# Altium PCB PMT_simulator.PcbDoc (part 2 of 5) (continued)
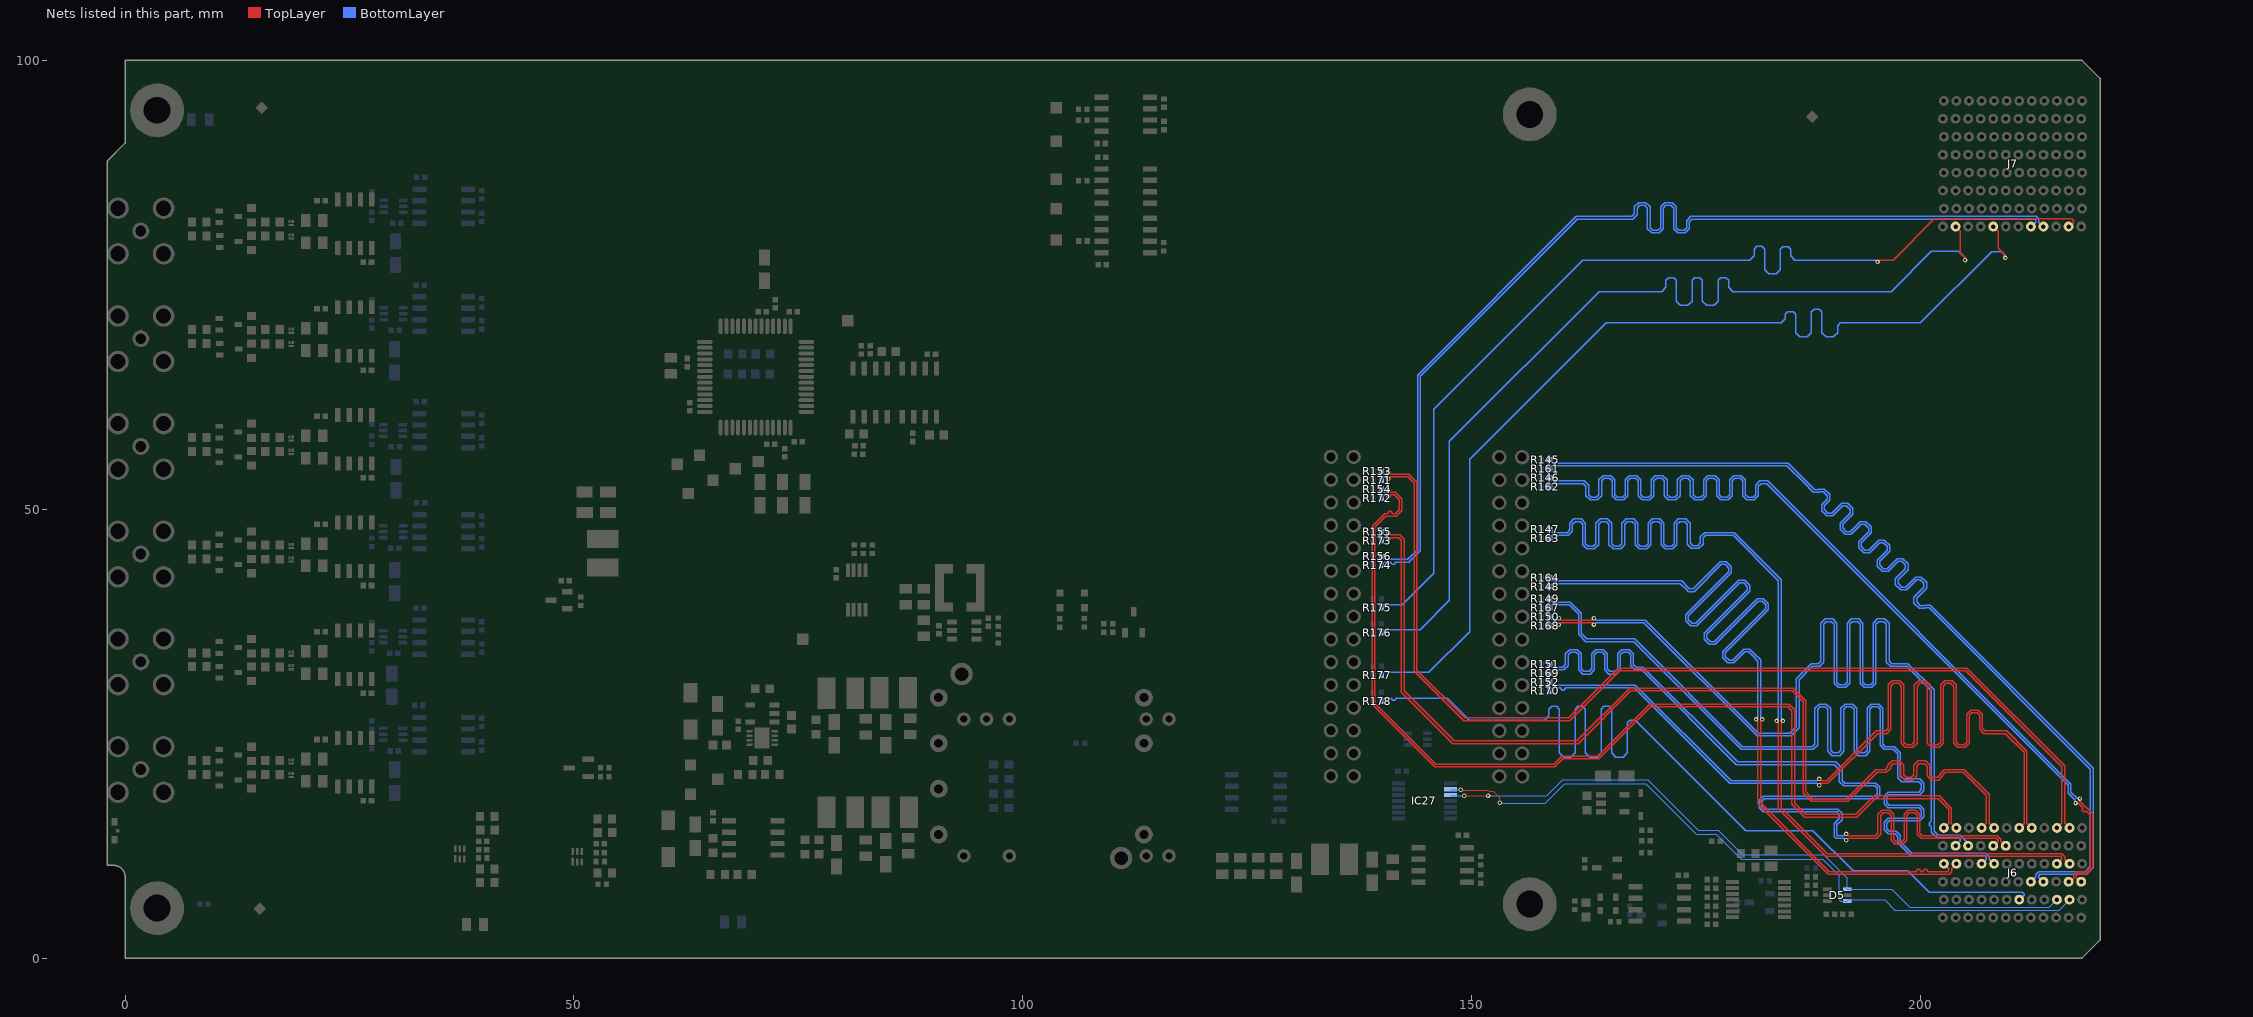
[diagram p4: the nets of this part, all layers, seen from the top]
## Part data (continued)
R130 R131 R133 R136 R138 R140: library part R0402_22R_1%_0.0625W_100PPM, "Resistor - 1%", Case=0402, Manufacturer=GENERIC, Manufacturer1 ComponentHeight=0.4mm, Manufacturer1 Example="YAGEO PHYCOMP", Manufacturer1 Part Number=232270672209L, Power=0.0625W, Tolerance=±1%, Author="CERN DEM JLC", Component Type=Standard, CreateDate=03.12.2007, HelpURL=\\cern.ch\dfs\Applications\Altium\Datasheets\R0402_Phycomp_RC0402.pdf, LatestRevisionDate=17.10.2012, Manufacturer Part Number=R0402_22R_1%_0.0625W_100PPM, Mounted=Yes, Part Description="General Purpose Thick Film Chip Resistor", Part Number=R0402_22R_1%_0.0625W_100PPM, Pin Count=2, PressFit=No, Sense=No, SMD=Yes, Socket=No, Status="Not Recommended", TC=±100ppm/°C
T1A T1B T1C T1D T1E T1F T2A T2B T2C T2D T2E T2F: library part "Q_MOSFET N", "20-V, N channel NexFET™ power MOSFET, single LGA 0.6 mm x 0.7 mm, 1460 mOhm, gate ESD protection", Manufacturer Part Number=CSD15380F3
T3 T6: "N-CHANNEL MOSFET WITH DIODE", Case=SOT23-3, Manufacturer="ON SEMICONDUCTOR", Manufacturer Part Number=BSS138L, Author="CERN DEM JLC", Bonding=No, Component Type=Standard, ComponentHeight=1.11mm, CreateDate=23.03.2009, Device=BSS138LT1G, HelpURL=\\cern.ch\dfs\Applications\Altium\Datasheets\BSS138LT1G.pdf, LatestRevisionDate=25.05.2022, Mounted=Yes, PackageDescription="SOT23, 0.95mm Pitch; 3 Pin, 1.40mm W X 3.00mm L X 1.10mm H body, IPC Medium Density", Part Description="50V, 200mA N-Channel Enhancement Mode Field-Effect Transistor", Part Number=BSS138LT1G, Pin Count=3, PressFit=No, Sense=No, SMD=Yes, Socket=No
T4 T5: "N-CHANNEL MOSFET WITH DIODE", Case=SOT23-3, Manufacturer="ON SEMICONDUCTOR", Author="CERN DEM JLC", Bonding=No, Component Type=Standard, ComponentHeight=1.11mm, CreateDate=23.03.2009, Device=BSS138LT1G, HelpURL=\\cern.ch\dfs\Applications\Altium\Datasheets\BSS138LT1G.pdf, LatestRevisionDate=23.03.2009, Manufacturer Part Number=BSS138LT1G, Mounted=Yes, PackageDescription="SOT23 3-Leads, Pitch 0.95mm - Body 1.4x3mm, IPC Medium Density", Part Description="50V 200mA N-Channel Enhancement Mode Field-Effect Transistor", Part Number=BSS138LT1G, Pin Count=3, PressFit=No, Sense=No, SMD=Yes, Socket=No
TP1 TP2 TP3 TP4 TP5 TP6 TP7 TP8 TP9 TP10 TP11 TP12 TP13 TP14 TP15 TP16: library part SMD_PAD_1.27X1.27MM, Author="CERN DEM JLC", Component Type="Standard (No BOM)", ComponentHeight=0mm, CreateDate=12.01.2008, Family="Test Point", HelpURL=Undefined, LatestRevisionDate=12.01.2008, Mounted=No, PackageDescription="1.27mm x 1.27mm PCB Copper Area (SMD Test Point)", Part Description="1.27mm x 1.27mm PCB Copper Area (SMD Test Point)", Part Number=SMD_PAD_1.27X1.27MM, Pin Count=1, Sense=No, SMD=Yes, Socket=No, Status=None

## Via types
v1: diameter 0.5, hole 0.25, TopLayer to BottomLayer, tented both sides, 509 vias
v2: diameter 0.6, hole 0.3, TopLayer to BottomLayer, tented both sides, 338 vias
v3: diameter 0.7, hole 0.4, TopLayer to BottomLayer, tented both sides, 14 vias
v4: diameter 0.5, hole 0.25, TopLayer to BottomLayer, 4 vias

## Nets (pads, with @x,y where several pads share a name; then routed paths per layer and width w, separated by ;. In a path a pad name is that pad's centre, name@x,y a point inside that pad or via, vN(x,y) a via of type N, cw(c..) or ccw(c..) an arc to the next point about the centre after c; other vN are vias at no path point)
BP_I2C.SCL: D5.3 IC27.2 J6.B2 | length 78.8
  TopLayer w0.127: v1(148.803,18.747) 148.84,18.71 151.833,18.71 151.965,18.578 152.422,18.578 153.16,17.84 v1(153.16,17.302)
  BottomLayer w0.127: IC27.2@147.65,18.8 147.703,18.747 v1(148.803,18.747) ; v1(153.16,17.302) 153.211,17.25 158.25,17.25 160.396,19.396 169.427,19.396 175.051,13.771 177.301,13.771 180.051,11.021 189.165,11.021 191,9.186 191,6.5 191.15,6.35 D5.3@191.871,6.35 191.993,6.472 196.028,6.472 197.158,5.342 215.481,5.342 J6.B2@216.639,6.5
BP_I2C.SDA: D5.1 IC27.3 J6.C2 | length 75.3
  TopLayer w0.127: v1(149.203,18.088) 149.21,18.095 151.855,18.095 v1(151.863,18.103)
  BottomLayer w0.127: IC27.3@147.65,18.15 147.712,18.088 v1(149.203,18.088) ; v1(151.863,18.103) 151.901,18.065 158.387,18.065 160.197,19.875 169.625,19.875 175.25,14.25 177.5,14.25 180.25,11.5 189.23,11.5 191.871,8.859 D5.1@191.871,7.671 ; D5.1@191.871,7.65 D5.1@191.871,7.671 ; J6.C2@215.239,6.5 214.408,5.669 198.831,5.669 196.828,7.672 191.872,7.672 D5.1@191.871,7.671
BP_IO.LVDS_N0: J6.E3 R161.1 | length 113.5
  BottomLayer w0.14: R161.1@158.72,54.5 158.94,54.72 158.94,54.768 159.022,54.85 185.15,54.85 187.075,52.925 188.109,51.891 188.766,51.891 188.801,51.926 189.21,51.926 189.619,51.518 189.619,51.109 189.014,50.504 189.014,49.847 189.247,49.613 189.598,49.262 190.256,49.262 191.37,50.377 191.779,50.377 192.187,49.968 192.187,49.559 191.073,48.445 191.073,47.788 191.657,47.203 192.315,47.203 193.429,48.318 193.838,48.318 194.246,47.909 194.246,47.5 193.132,46.386 193.132,45.729 193.716,45.144 194.374,45.144 195.488,46.259 195.897,46.259 196.305,45.85 196.305,45.441 195.191,44.327 195.191,43.67 195.776,43.085 196.433,43.085 197.547,44.199 197.956,44.199 198.365,43.791 198.365,43.382 197.25,42.268 197.25,41.61 197.835,41.026 198.492,41.026 199.606,42.14 200.015,42.14 200.424,41.732 200.424,41.323 199.309,40.209 199.309,39.551 199.894,38.967 200.551,38.967 200.588,39.004 200.996,39.004 201.108,38.892 218.962,21.038 218.962,10.212 218.37,9.62 213.217,9.62 212.889,9.292 212.889,8.994 212.395,8.5 J6.E3@212.339,8.5
BP_IO.LVDS_N1: J6.B3 R162.1 | length 112.3
  TopLayer w0.14: J6.B3@216.539,8.5 216.68,8.5 217.089,8.909 217.089,9.303 217.404,9.618 218.441,9.618 218.924,10.101 218.924,15.935 218.575,16.285 218.525,16.334 218.386,16.334 218.346,16.294 218.206,16.294 218.067,16.433 218.067,16.572 218.107,16.613 218.107,16.752 217.887,16.972 217.593,17.266 v1(217.31,17.266)
  BottomLayer w0.14: R162.1@158.72,52.5 158.94,52.72 158.94,52.768 159.022,52.85 160,52.85 162.468,52.85 162.757,52.561 162.757,51.494 163.222,51.029 164.048,51.029 164.513,51.494 164.513,53.164 164.802,53.453 165.38,53.453 165.669,53.164 165.669,51.494 166.134,51.029 166.96,51.029 167.425,51.494 167.425,53.164 167.714,53.453 168.292,53.453 168.581,53.164 168.581,51.494 169.046,51.029 169.872,51.029 170.337,51.494 170.337,53.164 170.626,53.453 171.204,53.453 171.493,53.164 171.493,51.494 171.958,51.029 172.784,51.029 173.249,51.494 173.249,53.164 173.538,53.453 174.116,53.453 174.405,53.164 174.405,51.494 174.87,51.029 175.696,51.029 176.161,51.494 176.161,53.164 176.45,53.453 177.028,53.453 177.317,53.164 177.317,51.494 177.782,51.029 178.608,51.029 179.073,51.494 179.073,53.164 179.362,53.453 179.94,53.453 180.229,53.164 180.229,51.494 180.694,51.029 181.52,51.029 181.985,51.494 181.985,52.561 182.274,52.85 182.432,52.85 182.9,52.85 216.5,19.25 216.5,18.359 217.266,17.593 217.266,17.31 v1(217.31,17.266)
BP_IO.LVDS_N2: J6.C4 R163.1 | length 113.6
  TopLayer w0.14: v1(184.005,26.414) 184.205,26.214 184.205,16.621 189.506,11.32 215.637,11.32 215.789,11.168 215.789,10.994 215.295,10.5 J6.C4@215.239,10.5
  BottomLayer w0.14: R163.1@158.72,46.75 158.94,46.97 158.94,47.018 159.022,47.1 160.506,47.1 160.788,47.1 161.253,47.565 161.253,48.335 161.542,48.624 162.12,48.624 162.409,48.335 162.409,46.041 162.874,45.576 163.7,45.576 164.165,46.041 164.165,48.335 164.454,48.624 165.032,48.624 165.321,48.335 165.321,46.041 165.786,45.576 166.612,45.576 167.077,46.041 167.077,48.335 167.366,48.624 167.944,48.624 168.233,48.335 168.233,46.041 168.698,45.576 169.524,45.576 169.989,46.041 169.989,48.335 170.278,48.624 170.856,48.624 171.145,48.335 171.145,46.041 171.61,45.576 172.436,45.576 172.901,46.041 172.901,48.335 173.19,48.624 173.768,48.624 174.057,48.335 174.057,46.121 174.522,45.656 175.348,45.656 175.813,46.121 175.813,46.811 176.102,47.1 177,47.1 179.15,47.1 184.211,42.039 184.211,26.676 184.005,26.47 v1(184.005,26.414)
BP_IO.LVDS_N3: J6.L4 R164.1 | length 111.3
  TopLayer w0.14: v1(182.413,26.584) 182.213,26.384 182.213,17.287 189.88,9.62 199.364,9.62 199.515,9.62 199.613,9.718 199.613,9.775 199.712,9.874 199.909,9.874 200.007,9.775 200.007,9.718 200.106,9.62 200.303,9.62 200.401,9.718 200.401,9.775 200.5,9.874 200.697,9.874 200.795,9.775 200.795,9.718 200.894,9.62 201.358,9.62 202.51,9.62 cw(c202.539,8.5) 202.568,9.62 203.107,9.62 203.189,9.702 203.189,9.95 J6.L4@202.639,10.5
  BottomLayer w0.14: R164.1@158.72,42.363 158.94,42.143 158.94,42.095 159.022,42.013 173.411,42.013 174.184,41.24 174.296,41.128 174.705,41.128 177.735,44.158 178.392,44.158 178.977,43.574 178.977,42.917 174.177,38.117 174.177,37.708 174.586,37.3 174.994,37.3 179.794,42.099 180.451,42.099 181.036,41.515 181.036,40.858 176.236,36.058 176.236,35.649 176.645,35.24 177.053,35.24 181.853,40.04 182.511,40.04 183.095,39.456 183.095,38.799 178.295,33.999 178.295,33.59 178.704,33.181 179.113,33.181 180.349,34.418 181.006,34.418 181.54,33.884 182.219,33.205 182.219,26.846 182.413,26.652 v1(182.413,26.584)
BP_IO.LVDS_N4: J6.I4 R167.1 | length 111.5
  BottomLayer w0.14: R167.1@158.72,39 158.94,39.22 158.94,39.268 159.022,39.35 160.9,39.35 161.95,38.3 161.95,36.05 162.75,35.25 168.076,35.25 180.076,23.25 187.817,23.25 188.1,23.25 188.564,23.715 188.564,27.699 188.853,27.988 189.431,27.988 189.72,27.699 189.72,23.019 190.185,22.554 191.012,22.554 191.476,23.019 191.476,27.699 191.765,27.988 192.343,27.988 192.632,27.699 192.632,23.019 193.097,22.554 193.924,22.554 194.388,23.019 194.388,27.699 194.677,27.988 195.255,27.988 195.544,27.699 195.544,23.715 196.009,23.25 196.317,23.25 197,23.25 197.5,22.75 197.5,21.015 197.5,20.11 197.965,19.645 199.829,19.645 200.118,19.356 200.118,18.778 199.829,18.489 196.441,18.489 195.976,18.024 195.976,17.198 196.441,16.733 199.829,16.733 200.118,16.444 200.118,15.866 199.829,15.577 196.441,15.577 195.976,15.112 195.976,14.286 196.441,13.821 197.211,13.821 197.5,13.532 197.5,13.374 197.5,12.826 198.955,11.371 207.186,11.371 207.389,11.168 207.389,10.994 206.895,10.5 J6.I4@206.839,10.5
BP_IO.LVDS_N5: J6.K5 R168.1 | length 113
  TopLayer w0.14: v1(159.75,37.15) 159.812,37.15 160.012,37.35 163.5,37.35 163.649,37.201 v1(163.649,37.15)
  BottomLayer w0.14: R168.1@158.72,37 158.94,37.22 158.94,37.268 159.022,37.35 159.488,37.35 159.688,37.15 v1(159.75,37.15) ; v1(163.649,37.15) 163.711,37.15 163.911,37.35 169.226,37.35 181.826,24.75 185.608,24.75 186.5,25.642 186.5,31 188,32.5 188.502,32.5 188.785,32.5 189.249,32.965 189.249,37.2 189.538,37.489 190.116,37.489 190.405,37.2 190.405,30.616 190.87,30.151 191.697,30.151 192.161,30.616 192.161,37.2 192.45,37.489 193.028,37.489 193.317,37.2 193.317,30.616 193.782,30.151 194.609,30.151 195.073,30.616 195.073,37.2 195.362,37.489 195.94,37.489 196.229,37.2 196.229,32.965 196.694,32.5 197.395,32.5 198.5,32.5 201.25,29.75 201.25,15.695 201.25,15.231 201.152,15.132 201.094,15.132 200.996,15.034 200.996,14.837 201.094,14.738 201.152,14.738 201.25,14.64 201.25,14.238 201.25,14.025 201.895,13.38 204.353,13.38 204.489,13.244 204.489,13.05 J6.K5@203.939,12.5
BP_IO.LVDS_N6: J6.H5 R169.1 | length 111.1
  TopLayer w0.14: v1(191.75,13.123) 191.8,13.123 192,13.323 194.852,13.323 195.134,13.323 195.599,13.788 195.599,15.892 195.888,16.181 196.466,16.181 196.755,15.892 196.755,13.112 197.22,12.647 198.046,12.647 198.511,13.112 198.511,15.892 198.8,16.181 199.378,16.181 199.667,15.892 199.667,13.788 200.132,13.323 200.85,13.323 208.476,13.323 208.689,13.11 208.689,12.994 208.195,12.5 J6.H5@208.139,12.5
  BottomLayer w0.14: R169.1@158.72,31.75 158.94,31.97 158.94,32.018 159.022,32.1 160.032,32.1 160.315,32.1 160.779,32.565 160.779,33.761 161.068,34.05 161.646,34.05 161.935,33.761 161.935,32.104 162.4,31.64 163.227,31.64 163.691,32.104 163.691,33.761 163.98,34.05 164.558,34.05 164.847,33.761 164.847,32.104 165.312,31.64 166.139,31.64 166.603,32.104 166.603,33.761 166.892,34.05 167.47,34.05 167.759,33.761 167.759,32.565 168.224,32.1 168.754,32.1 168.976,32.1 179.53,21.545 190.45,21.545 191,20.995 191,20.697 191,19.649 191.465,19.185 194.927,19.185 195.216,18.896 195.216,18.318 194.927,18.029 182.529,18.029 182.064,17.564 182.064,16.737 182.529,16.273 190.711,16.273 191,15.984 191,15.826 191,15.547 190.411,14.958 190.411,13.581 190.669,13.323 191.488,13.323 191.688,13.123 v1(191.75,13.123)
BP_IO.LVDS_N7: J6.F6 R170.1 | length 113.5
  TopLayer w0.14: v1(188.75,19.25) 188.95,19.45 189.7,19.45 195.25,25 195.994,25 196.276,25 196.741,25.465 196.741,30.3 197.03,30.589 197.608,30.589 197.897,30.3 197.897,23.941 198.362,23.476 199.188,23.476 199.653,23.941 199.653,30.3 199.942,30.589 200.52,30.589 200.809,30.3 200.809,23.941 201.274,23.476 202.1,23.476 202.565,23.941 202.565,30.3 202.854,30.589 203.432,30.589 203.721,30.3 203.721,23.941 204.186,23.476 205.012,23.476 205.477,23.941 205.477,27.038 205.766,27.327 206.344,27.327 206.633,27.038 206.633,25.465 207.098,25 208.134,25 209.5,25 211.589,22.911 211.589,15.275 211.589,15.035 211.054,14.5 J6.F6@211.039,14.5
  BottomLayer w0.14: R170.1@158.72,29.75 158.94,29.97 158.94,30.018 159.022,30.1 159.455,30.1 159.919,30.1 160.017,30.001 160.017,29.944 160.116,29.846 160.313,29.846 160.411,29.944 160.411,30.001 160.51,30.1 160.583,30.1 168.15,30.1 178.8,19.45 188.488,19.45 188.688,19.25 v1(188.75,19.25)
BP_IO.LVDS_N8: J6.C6 R171.1 | length 113.4
  TopLayer w0.14: v1(140.75,53.4) 140.812,53.4 141.012,53.6 142.9,53.6 143.628,52.872 143.628,31.948 149.126,26.45 160.95,26.45 166.5,32 205.076,32 215.789,21.287 215.789,15.65 215.789,15.05 J6.C6@215.239,14.5
  BottomLayer w0.14: R171.1@139.97,53.25 140.19,53.47 140.19,53.518 140.272,53.6 140.488,53.6 140.688,53.4 v1(140.75,53.4)
BP_IO.LVDS_N9: J6.L6 R172.1 | length 112.3
  TopLayer w0.14: v1(140.75,51.4) 140.812,51.4 141.012,51.6 141.409,51.6 141.952,51.056 141.952,49.952 141.5,49.5 141.447,49.5 141.22,49.5 141.121,49.599 141.121,49.656 141.023,49.754 140.826,49.754 140.727,49.656 140.727,49.599 140.629,49.5 140.559,49.5 140.331,49.5 138.928,48.097 138.928,28.272 145.892,21.308 159.308,21.308 160.2,22.2 164.2,22.2 170,28 185.25,28 185.7,27.55 185.7,17.126 187.126,15.7 192.95,15.7 195,17.75 202,17.75 203.189,16.561 203.189,15.234 203.189,14.994 202.695,14.5 J6.L6@202.639,14.5
  BottomLayer w0.14: R172.1@139.97,51.25 140.19,51.47 140.19,51.518 140.272,51.6 140.488,51.6 140.688,51.4 v1(140.75,51.4)
BP_IO.LVDS_N10: J6.I6 R173.1 | length 112
  TopLayer w0.14: v1(140.75,46.65) 140.812,46.65 141.012,46.85 141.9,46.85 142.2,46.55 142.2,29.626 147.94,23.886 161.886,23.886 167.75,29.75 185.75,29.75 186.95,28.55 186.95,18.376 187.876,17.45 191.95,17.45 195.2,20.7 195.953,20.7 196.235,20.7 196.7,21.165 196.7,21.363 196.989,21.652 197.567,21.652 197.856,21.363 197.856,20.293 198.32,19.829 199.147,19.829 199.612,20.293 199.612,21.363 199.901,21.652 200.479,21.652 200.768,21.363 200.768,20.293 201.232,19.829 202.059,19.829 202.524,20.293 202.524,20.411 202.813,20.7 204.311,20.7 204.8,20.7 207.389,18.111 207.389,15.275 207.389,15.035 206.854,14.5 J6.I6@206.839,14.5
  BottomLayer w0.14: R173.1@139.97,46.5 140.19,46.72 140.19,46.768 140.272,46.85 140.488,46.85 140.688,46.65 v1(140.75,46.65)
BP_IO.LVDS_N11: J7.E1 R174.1 | length 111.6
  BottomLayer w0.14: R174.1@139.97,43.75 140.19,43.97 140.19,44.018 140.272,44.1 140.521,44.1 140.985,44.1 141.084,44.001 141.084,43.944 141.182,43.846 141.379,43.846 141.478,43.944 141.478,44.001 141.576,44.1 142.252,44.1 143.024,44.1 144.3,45.376 144.3,64.8 161.82,82.32 167.711,82.32 167.993,82.32 168.458,82.785 168.458,83.555 168.747,83.844 169.325,83.844 169.614,83.555 169.614,81.261 170.078,80.796 170.905,80.796 171.37,81.261 171.37,83.555 171.659,83.844 172.237,83.844 172.526,83.555 172.526,81.261 172.99,80.796 173.817,80.796 174.282,81.261 174.282,82.031 174.571,82.32 175.25,82.32 212.803,82.32 212.889,82.234 212.889,81.994 212.395,81.5 J7.E1@212.339,81.5
BP_IO.LVDS_N12: J7.B1 R175.1 | length 114.3
  TopLayer w0.14: v1(195.25,77.55) 195.312,77.55 195.512,77.75 197,77.75 201.594,82.344 216.913,82.344 217.089,82.168 217.089,81.994 216.595,81.5 J7.B1@216.539,81.5
  BottomLayer w0.14: R175.1@139.97,39 140.19,39.22 140.19,39.268 140.272,39.35 142.274,39.35 145.8,42.876 145.8,61.126 162.424,77.75 180.756,77.75 181.038,77.75 181.503,78.215 181.503,78.985 181.792,79.274 182.37,79.274 182.659,78.985 182.659,76.691 183.124,76.226 183.95,76.226 184.415,76.691 184.415,78.953 184.704,79.242 185.282,79.242 185.571,78.953 185.571,78.215 186.036,77.75 191.085,77.75 195.05,77.75 v1(195.25,77.55)
BP_IO.LVDS_N13: J7.K1 R176.1 | length 110.4
  TopLayer w0.14: J7.K1@203.939,81.5 204.489,80.95 204.489,78.535 205.021,78.003 205.021,77.771 v1(204.996,77.746)
  BottomLayer w0.14: R176.1@139.97,36.25 140.19,36.47 140.19,36.518 140.272,36.6 144.274,36.6 147.55,39.876 147.55,57.55 164.25,74.25 170.926,74.25 171.209,74.25 171.673,74.715 171.673,75.485 171.962,75.774 172.54,75.774 172.829,75.485 172.829,73.191 173.294,72.726 174.121,72.726 174.585,73.191 174.585,75.485 174.874,75.774 175.452,75.774 175.741,75.485 175.741,73.191 176.206,72.726 177.033,72.726 177.497,73.191 177.497,75.485 177.786,75.774 178.364,75.774 178.653,75.485 178.653,74.715 179.118,74.25 179.75,74.25 196.75,74.25 201.25,78.75 204.274,78.75 204.952,78.072 204.952,77.789 v1(204.996,77.746)
BP_IO.LVDS_N14: J7.H1 R177.1 | length 114.3
  TopLayer w0.14: J7.H1@208.139,81.5 208.689,80.95 208.689,79.082 209.425,78.346 209.425,78.063 v1(209.494,77.994)
  BottomLayer w0.14: R177.1@139.97,31.5 140.19,31.72 140.19,31.768 140.272,31.85 145.274,31.85 149.8,36.376 149.8,55.55 165,70.75 180.389,70.75 184.514,70.75 184.979,71.215 184.979,71.712 185.268,72.001 185.846,72.001 186.135,71.712 186.135,69.691 186.6,69.226 187.426,69.226 187.891,69.691 187.891,71.985 188.18,72.274 188.758,72.274 189.047,71.985 189.047,69.691 189.512,69.226 190.338,69.226 190.803,69.691 190.803,70.461 191.092,70.75 191.25,70.75 200,70.75 207.95,78.7 209.071,78.7 209.45,78.321 209.45,78.038 v1(209.494,77.994)
BP_IO.LVDS_N15: J6.F2 R178.1 | length 112.7
  BottomLayer w0.14: R178.1@139.97,28.615 140.19,28.835 140.19,28.883 140.272,28.965 140.586,28.965 141.051,28.965 141.149,28.867 141.149,28.81 141.247,28.711 141.444,28.711 141.543,28.81 141.543,28.867 141.641,28.965 142.013,28.965 147.285,28.965 149.622,26.628 149.751,26.499 152.944,26.499 ccw(c153.114,27.858) 153.285,26.499 155.484,26.499 ccw(c155.654,27.858) 155.825,26.499 157.688,26.499 158.178,26.499 158.643,26.964 158.643,27.734 158.932,28.023 159.51,28.023 159.799,27.734 159.799,22.847 160.264,22.383 161.09,22.383 161.555,22.847 161.555,27.734 161.844,28.023 162.422,28.023 162.711,27.734 162.711,22.847 163.176,22.383 164.002,22.383 164.467,22.847 164.467,27.734 164.756,28.023 165.334,28.023 165.623,27.734 165.623,22.847 166.088,22.383 166.914,22.383 167.379,22.847 167.379,26.21 167.668,26.499 167.826,26.499 168.251,26.499 180.55,14.2 188.05,14.2 192.55,9.7 198.626,9.7 201.001,7.325 211.374,7.325 211.589,7.11 211.589,6.994 211.095,6.5 J6.F2@211.039,6.5
BP_IO.LVDS_P0: J6.D3 R145.1 | length 114
  BottomLayer w0.14: R145.1@158.72,55.5 158.94,55.28 158.94,55.232 159.022,55.15 185.274,55.15 187.287,53.137 188.233,52.191 188.642,52.191 188.677,52.226 189.334,52.226 189.919,51.642 189.919,50.985 189.314,50.38 189.314,49.971 189.723,49.562 190.131,49.562 191.246,50.677 191.903,50.677 192.254,50.326 192.487,50.092 192.487,49.435 191.373,48.321 191.373,47.912 191.782,47.503 192.19,47.503 193.305,48.618 193.962,48.618 194.546,48.033 194.546,47.376 193.432,46.262 193.432,45.853 193.841,45.444 194.249,45.444 195.364,46.559 196.021,46.559 196.605,45.974 196.605,45.317 195.491,44.202 195.491,43.794 195.9,43.385 196.309,43.385 197.423,44.499 198.08,44.499 198.665,43.915 198.665,43.258 197.55,42.143 197.55,41.735 197.959,41.326 198.368,41.326 199.482,42.44 200.139,42.44 200.724,41.856 200.724,41.199 199.609,40.084 199.609,39.676 200.018,39.267 200.427,39.267 200.463,39.304 201.121,39.304 201.32,39.104 219.261,21.163 219.261,10.087 218.494,9.32 213.341,9.32 213.189,9.168 213.189,9.11 213.189,8.994 213.683,8.5 J6.D3@213.739,8.5
BP_IO.LVDS_P1: J6.A3 R146.1 | length 112.5
  TopLayer w0.14: v1(217.805,17.761) 217.805,17.478 219.224,16.059 219.224,9.977 218.565,9.318 217.528,9.318 217.389,9.179 217.389,8.909 217.798,8.5 J6.A3@217.939,8.5
  BottomLayer w0.14: R146.1@158.72,53.5 158.94,53.28 158.94,53.232 159.022,53.15 160,53.15 162.592,53.15 163.057,52.685 163.057,51.618 163.346,51.329 163.924,51.329 164.213,51.618 164.213,53.288 164.678,53.753 165.504,53.753 165.969,53.288 165.969,51.618 166.258,51.329 166.836,51.329 167.125,51.618 167.125,53.288 167.59,53.753 168.416,53.753 168.881,53.288 168.881,51.618 169.17,51.329 169.748,51.329 170.037,51.618 170.037,53.288 170.502,53.753 171.328,53.753 171.793,53.288 171.793,51.618 172.082,51.329 172.66,51.329 172.949,51.618 172.949,53.288 173.414,53.753 174.24,53.753 174.705,53.288 174.705,51.618 174.994,51.329 175.572,51.329 175.861,51.618 175.861,53.288 176.326,53.753 177.152,53.753 177.617,53.288 177.617,51.618 177.906,51.329 178.484,51.329 178.773,51.618 178.773,53.288 179.238,53.753 180.064,53.753 180.529,53.288 180.529,51.618 180.818,51.329 181.396,51.329 181.685,51.618 181.685,52.685 182.15,53.15 182.432,53.15 183.024,53.15 216.8,19.374 216.8,18.484 217.479,17.805 217.761,17.805 v1(217.805,17.761)
BP_IO.LVDS_P2: J6.B4 R147.1 | length 114.1
  TopLayer w0.14: v1(184.705,26.414) 184.505,26.214 184.505,16.745 189.63,11.62 215.761,11.62 216.089,11.292 216.089,11.11 216.089,10.994 216.583,10.5 J6.B4@216.639,10.5
  BottomLayer w0.14: R147.1@158.72,47.75 158.94,47.53 158.94,47.482 159.022,47.4 160.506,47.4 160.664,47.4 160.953,47.689 160.953,48.459 161.418,48.924 162.244,48.924 162.709,48.459 162.709,46.165 162.998,45.876 163.576,45.876 163.865,46.165 163.865,48.459 164.33,48.924 165.156,48.924 165.621,48.459 165.621,46.165 165.91,45.876 166.488,45.876 166.777,46.165 166.777,48.459 167.242,48.924 168.068,48.924 168.533,48.459 168.533,46.165 168.822,45.876 169.4,45.876 169.689,46.165 169.689,48.459 170.154,48.924 170.98,48.924 171.445,48.459 171.445,46.165 171.734,45.876 172.312,45.876 172.601,46.165 172.601,48.459 173.066,48.924 173.892,48.924 174.357,48.459 174.357,46.245 174.646,45.956 175.224,45.956 175.513,46.245 175.513,46.935 175.978,47.4 177,47.4 179.274,47.4 184.511,42.163 184.511,26.676 184.705,26.482 v1(184.705,26.414)
BP_IO.LVDS_P3: J6.K4 R148.1 | length 111.3
  TopLayer w0.14: v1(181.713,26.584) 181.913,26.384 181.913,17.162 189.756,9.32 202.514,9.32 cw(c202.539,8.5) 202.564,9.32 203.231,9.32 203.543,9.632 203.543,9.921 204.039,10.417 J6.K4@204.039,10.5
  BottomLayer w0.14: R148.1@158.72,41.363 158.94,41.583 158.94,41.631 159.022,41.713 173.287,41.713 173.972,41.028 174.172,40.828 174.829,40.828 177.859,43.858 178.268,43.858 178.677,43.45 178.677,43.041 173.877,38.241 173.877,37.584 174.461,37 175.119,37 179.918,41.799 180.327,41.799 180.736,41.391 180.736,40.982 175.936,36.182 175.936,35.525 176.521,34.94 177.178,34.94 181.978,39.74 182.386,39.74 182.795,39.332 182.795,38.923 177.995,34.123 177.995,33.466 178.58,32.881 179.237,32.881 180.473,34.118 180.882,34.118 181.328,33.672 181.919,33.081 181.919,26.852 181.713,26.646 v1(181.713,26.584)
BP_IO.LVDS_P4: J6.H4 R149.1 | length 112
  BottomLayer w0.14: R149.1@158.72,40 158.94,39.78 158.94,39.732 159.022,39.65 161.024,39.65 162.25,38.424 162.25,36.174 162.874,35.55 168.2,35.55 180.2,23.55 187.817,23.55 187.975,23.55 188.264,23.839 188.264,27.823 188.729,28.288 189.556,28.288 190.02,27.823 190.02,23.143 190.309,22.854 190.887,22.854 191.176,23.143 191.176,27.823 191.641,28.288 192.468,28.288 192.932,27.823 192.932,23.143 193.221,22.854 193.799,22.854 194.088,23.143 194.088,27.823 194.553,28.288 195.38,28.288 195.844,27.823 195.844,23.839 196.133,23.55 196.317,23.55 197.124,23.55 197.8,22.874 197.8,21.015 197.8,20.234 198.089,19.945 199.953,19.945 200.418,19.48 200.418,18.654 199.953,18.189 196.565,18.189 196.276,17.9 196.276,17.322 196.565,17.033 199.953,17.033 200.418,16.568 200.418,15.742 199.953,15.277 196.565,15.277 196.276,14.988 196.276,14.41 196.565,14.121 197.335,14.121 197.8,13.656 197.8,13.374 197.8,12.95 199.079,11.671 207.31,11.671 207.689,11.292 207.689,11.11 207.689,10.994 208.183,10.5 J6.H4@208.239,10.5
BP_IO.LVDS_P5: J6.J5 R150.1 | length 113.2
  TopLayer w0.14: v1(159.75,37.85) 159.812,37.85 160.012,37.65 163.5,37.65 163.649,37.799 v1(163.649,37.85)
  BottomLayer w0.14: R150.1@158.72,38 158.94,37.78 158.94,37.732 159.022,37.65 159.488,37.65 159.688,37.85 v1(159.75,37.85) ; v1(163.649,37.85) 163.711,37.85 163.911,37.65 169.35,37.65 181.95,25.05 185.484,25.05 186.2,25.766 186.2,31.124 187.876,32.8 188.502,32.8 188.66,32.8 188.949,33.089 188.949,37.325 189.414,37.789 190.241,37.789 190.705,37.325 190.705,30.74 190.994,30.451 191.572,30.451 191.861,30.74 191.861,37.325 192.326,37.789 193.153,37.789 193.617,37.325 193.617,30.74 193.906,30.451 194.484,30.451 194.773,30.74 194.773,37.325 195.238,37.789 196.065,37.789 196.529,37.325 196.529,33.089 196.818,32.8 197.395,32.8 198.624,32.8 201.55,29.874 201.55,14.15 202.02,13.68 204.477,13.68 205.155,13.002 205.155,12.684 J6.J5@205.339,12.5
BP_IO.LVDS_P6: J6.G5 R151.1 | length 111.6
  TopLayer w0.14: v1(191.75,13.823) 191.8,13.823 192,13.623 194.852,13.623 195.01,13.623 195.299,13.912 195.299,16.016 195.764,16.481 196.59,16.481 197.055,16.016 197.055,13.236 197.344,12.947 197.922,12.947 198.211,13.236 198.211,16.016 198.676,16.481 199.502,16.481 199.967,16.016 199.967,13.912 200.256,13.623 200.85,13.623 208.6,13.623 208.989,13.234 208.989,12.994 209.483,12.5 J6.G5@209.539,12.5
  BottomLayer w0.14: R151.1@158.72,32.75 158.94,32.53 158.94,32.482 159.022,32.4 160.032,32.4 160.19,32.4 160.479,32.689 160.479,33.886 160.944,34.35 161.771,34.35 162.235,33.886 162.235,32.229 162.524,31.94 163.102,31.94 163.391,32.229 163.391,33.886 163.856,34.35 164.683,34.35 165.147,33.886 165.147,32.229 165.436,31.94 166.014,31.94 166.303,32.229 166.303,33.886 166.768,34.35 167.595,34.35 168.059,33.886 168.059,32.689 168.348,32.4 168.754,32.4 169.1,32.4 179.655,21.845 190.574,21.845 191.3,21.119 191.3,20.697 191.3,19.774 191.589,19.485 195.052,19.485 195.516,19.02 195.516,18.193 195.052,17.729 182.653,17.729 182.364,17.44 182.364,16.862 182.653,16.573 190.835,16.573 191.3,16.108 191.3,15.826 191.3,15.423 190.711,14.834 190.711,13.705 190.793,13.623 191.488,13.623 191.688,13.823 v1(191.75,13.823)
BP_IO.LVDS_P7: J6.E6 R152.1 | length 113.7
  TopLayer w0.14: v1(188.75,19.95) 188.95,19.75 189.576,19.75 195.126,25.3 195.994,25.3 196.152,25.3 196.441,25.589 196.441,30.424 196.906,30.889 197.732,30.889 198.197,30.424 198.197,24.065 198.486,23.776 199.064,23.776 199.353,24.065 199.353,30.424 199.818,30.889 200.644,30.889 201.109,30.424 201.109,24.065 201.398,23.776 201.976,23.776 202.265,24.065 202.265,30.424 202.73,30.889 203.556,30.889 204.021,30.424 204.021,24.065 204.31,23.776 204.888,23.776 205.177,24.065 205.177,27.162 205.642,27.627 206.468,27.627 206.933,27.162 206.933,25.589 207.222,25.3 208.134,25.3 209.624,25.3 211.889,23.035 211.889,15.151 211.889,15.035 212.424,14.5 J6.E6@212.439,14.5
  BottomLayer w0.14: R152.1@158.72,30.75 158.94,30.53 158.94,30.482 159.022,30.4 168.274,30.4 178.924,19.75 188.488,19.75 188.688,19.95 v1(188.75,19.95)
BP_IO.LVDS_P8: J6.B6 R153.1 | length 113.9
  TopLayer w0.14: v1(140.75,54.1) 140.812,54.1 141.012,53.9 143.024,53.9 143.928,52.997 143.928,32.072 149.25,26.75 160.826,26.75 166.376,32.3 205.2,32.3 216.089,21.411 216.089,15.526 216.089,15.05 J6.B6@216.639,14.5
  BottomLayer w0.14: R153.1@139.97,54.25 140.19,54.03 140.19,53.982 140.272,53.9 140.488,53.9 140.688,54.1 v1(140.75,54.1)
BP_IO.LVDS_P9: J6.K6 R154.1 | length 112.5
  TopLayer w0.14: v1(140.75,52.1) 140.812,52.1 141.012,51.9 141.533,51.9 142.252,51.181 142.252,49.828 141.624,49.2 140.456,49.2 139.228,47.973 139.228,28.396 146.016,21.608 159.184,21.608 160.076,22.5 164.076,22.5 169.876,28.3 185.374,28.3 186,27.674 186,17.25 187.25,16 192.826,16 194.876,18.05 202.124,18.05 203.489,16.685 203.489,15.11 203.489,14.994 203.983,14.5 J6.K6@204.039,14.5
  BottomLayer w0.14: R154.1@139.97,52.25 140.19,52.03 140.19,51.982 140.272,51.9 140.488,51.9 140.688,52.1 v1(140.75,52.1)
BP_IO.LVDS_P10: J6.H6 R155.1 | length 112.5
  TopLayer w0.14: v1(140.75,47.35) 140.812,47.35 141.012,47.15 142.024,47.15 142.5,46.674 142.5,29.75 148.064,24.186 161.762,24.186 167.626,30.05 185.874,30.05 187.25,28.674 187.25,18.5 188,17.75 191.826,17.75 195.076,21 195.953,21 196.111,21 196.4,21.289 196.4,21.487 196.864,21.952 197.691,21.952 198.156,21.487 198.156,20.418 198.445,20.129 199.023,20.129 199.312,20.418 199.312,21.487 199.776,21.952 200.603,21.952 201.068,21.487 201.068,20.418 201.357,20.129 201.935,20.129 202.224,20.418 202.224,20.535 202.688,21 204.311,21 204.924,21 207.689,18.235 207.689,15.151 207.689,15.035 208.224,14.5 J6.H6@208.239,14.5
  BottomLayer w0.14: R155.1@139.97,47.5 140.19,47.28 140.19,47.232 140.272,47.15 140.488,47.15 140.688,47.35 v1(140.75,47.35)
BP_IO.LVDS_P11: J7.D1 R156.1 | length 111.8
  BottomLayer w0.14: R156.1@139.97,44.75 140.19,44.53 140.19,44.482 140.272,44.4 142.9,44.4 144,45.5 144,64.924 161.696,82.62 167.711,82.62 167.869,82.62 168.158,82.909 168.158,83.679 168.622,84.144 169.449,84.144 169.914,83.679 169.914,81.385 170.203,81.096 170.781,81.096 171.07,81.385 171.07,83.679 171.534,84.144 172.361,84.144 172.826,83.679 172.826,81.385 173.115,81.096 173.693,81.096 173.982,81.385 173.982,82.155 174.446,82.62 175.25,82.62 212.927,82.62 213.189,82.358 213.189,82.11 213.189,81.994 213.683,81.5 J7.D1@213.739,81.5